# Altium PCB Tag201_GangProgrammerRev1.PcbDoc (part 6 of 7) (continued)
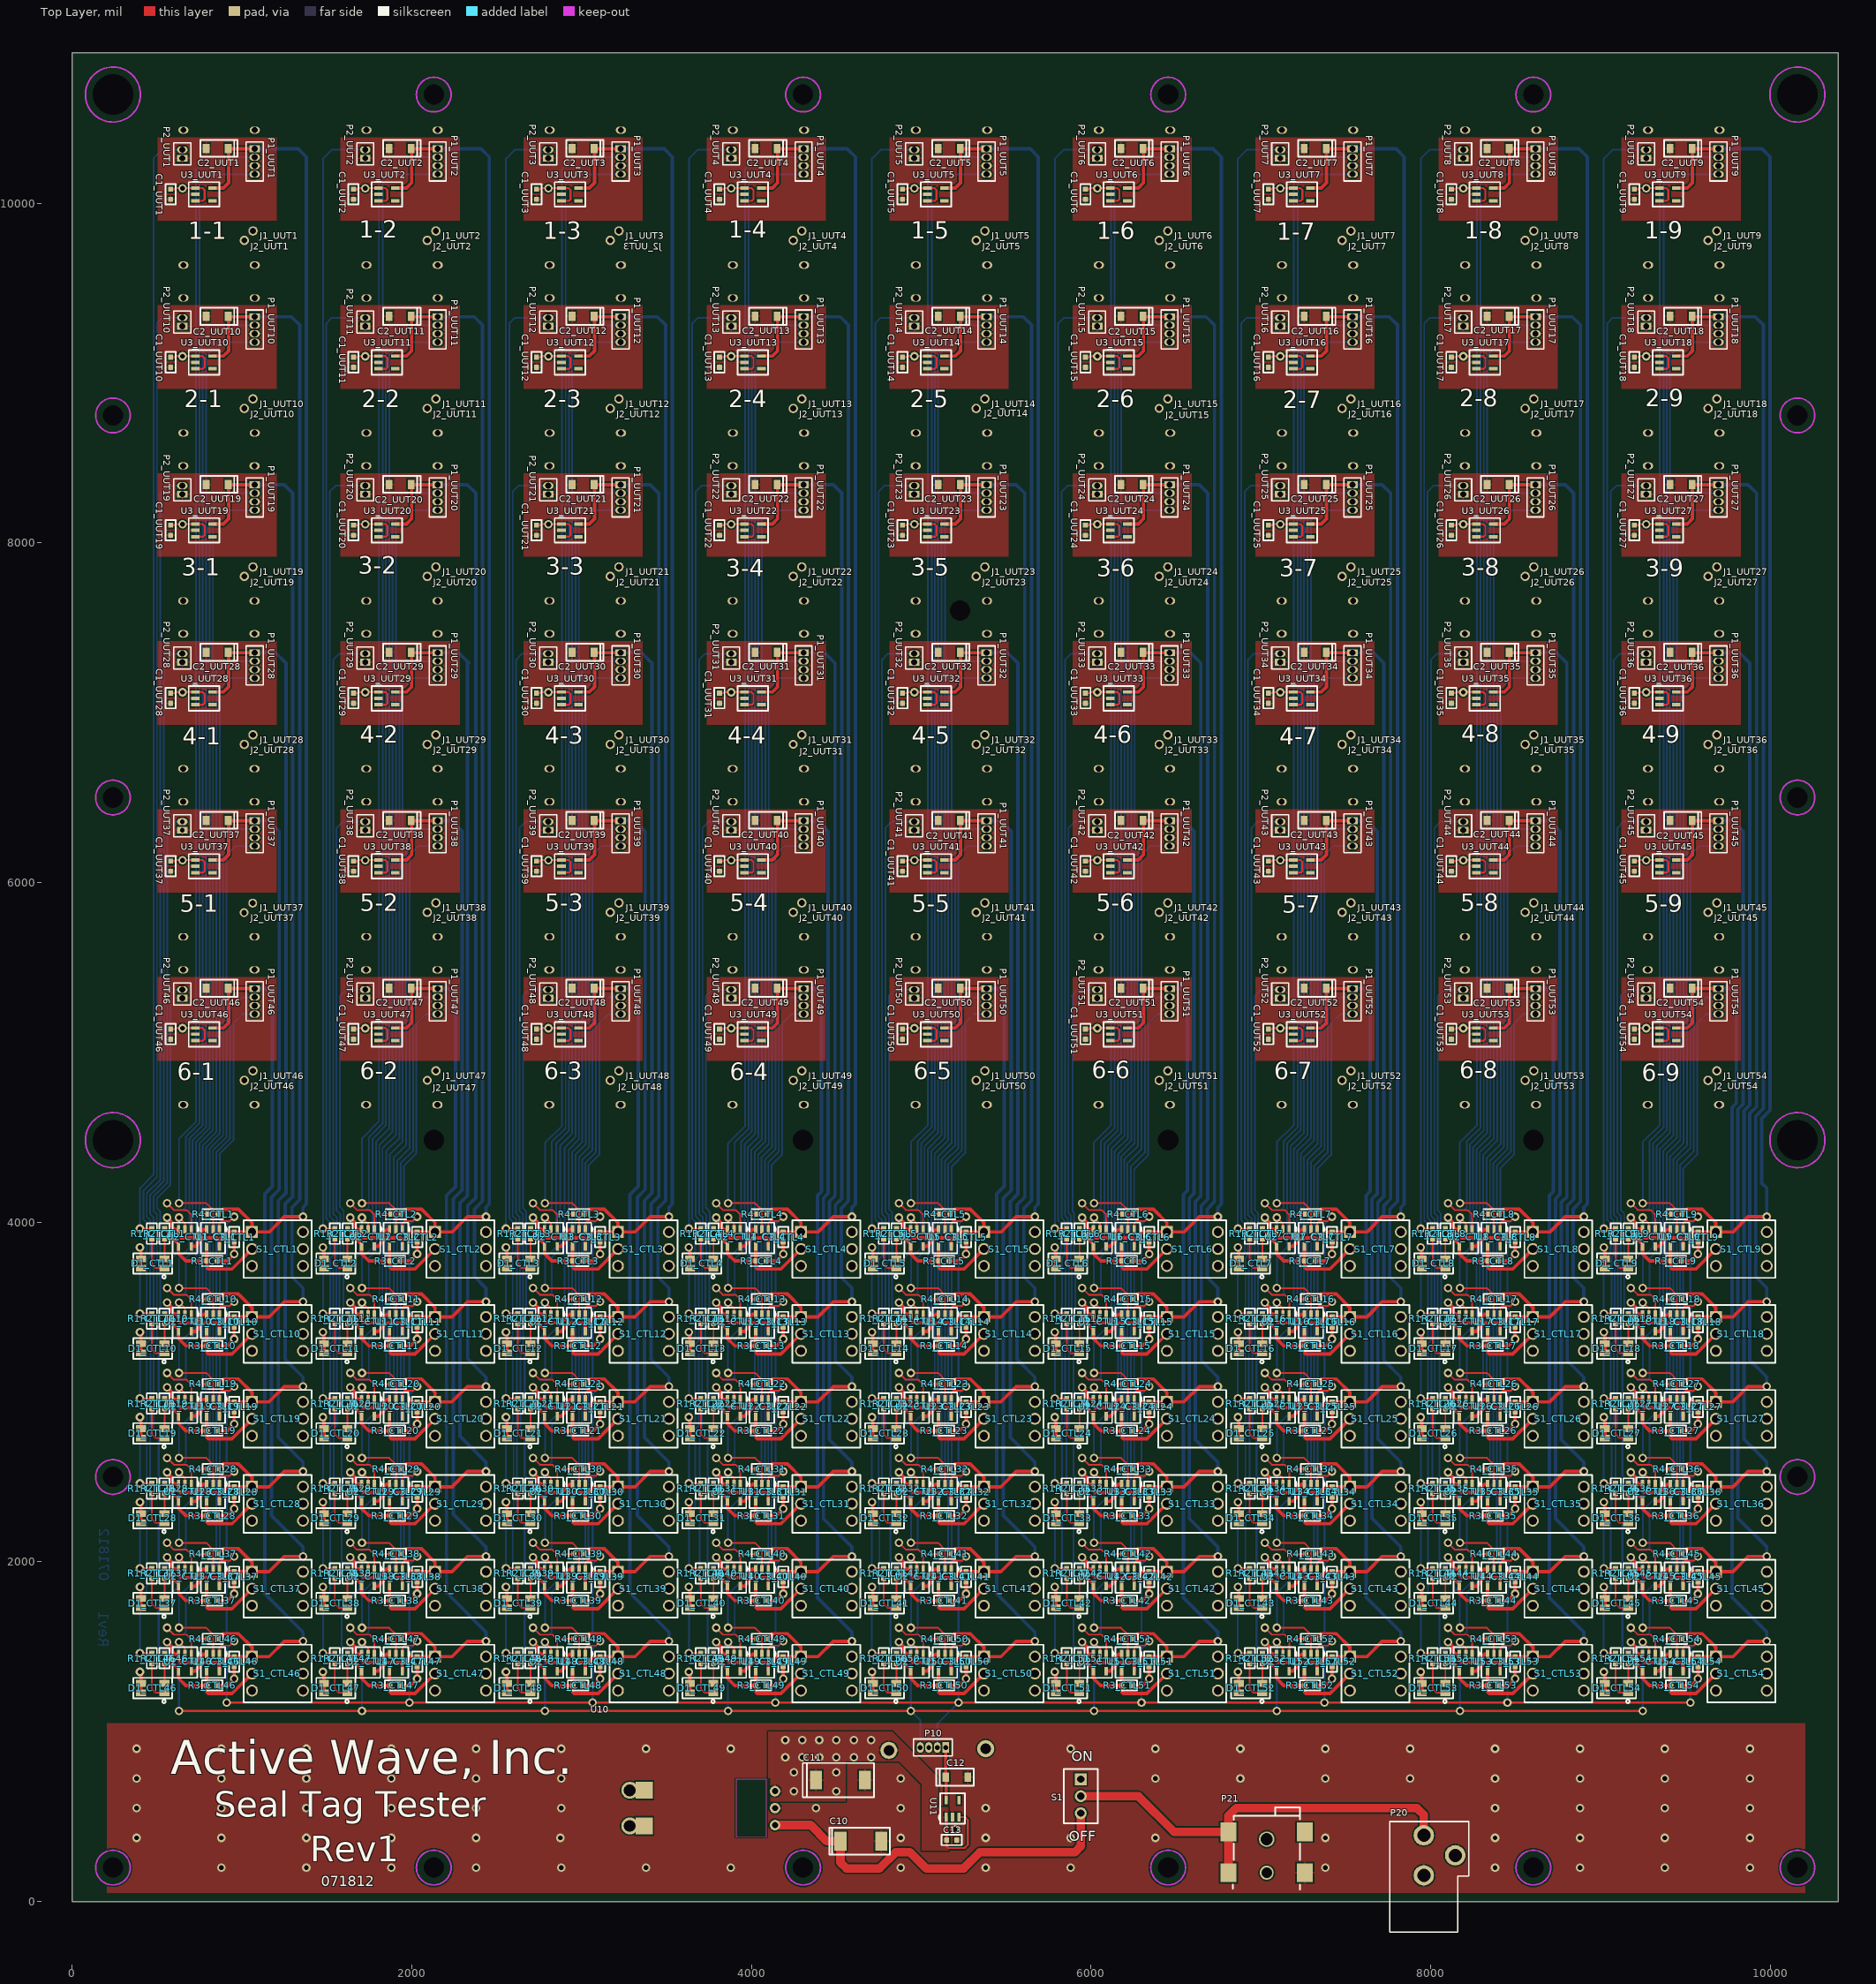
[diagram p0: Top Layer view]
## Nets (pads, with @x,y where several pads share a name; then routed paths per layer and width w, separated by ;. In a path a pad name is that pad's centre, name@x,y a point inside that pad or via, vN(x,y) a via of type N, cw(c..) or ccw(c..) an arc to the next point about the centre after c; other vN are vias at no path point) (continued)
  Bottom Layer w10: v1(4709,1962) 4709,2277 4749,2317 4749,2777 4769,2797 4769,3267 4789,3287 4789,3752 4809,3772 4809,4042 4789,4062 4789,6322 4825,6358 P2_UUT41.2@4958.5,6358
TEST42: P2_UUT42.2 R1_CTL42.2 | length 4658.7
  Top Layer w10: v1(5786.5,1962) R1_CTL42.2@5856.5,1962
  Bottom Layer w10: v1(5786.5,1962) 5786.5,2274.5 5829,2317 5829,2782 5847,2800 5847,3267 5869,3289 5869,3762 5880,3773 5880,4041 5866.5,4054.5 5866.5,6322 5902.5,6358 P2_UUT42.2@6036,6358
TEST43: P2_UUT43.2 R1_CTL43.2 | length 4664.1
  Top Layer w10: v1(6864,1962) R1_CTL43.2@6934,1962
  Bottom Layer w10: v1(6864,1962) 6864,2267 6909,2312 6909,2782 6929,2802 6929,3272 6947,3290 6947,3762 6964,3779 6964,4037 6944,4057 6944,6322 6980,6358 P2_UUT43.2@7113.5,6358
TEST44: P2_UUT44.2 R1_CTL44.2 | length 4662.9
  Top Layer w10: v1(7941.5,1962) R1_CTL44.2@8011.5,1962
  Bottom Layer w10: v1(7941.5,1962) 7941.5,2274.5 7984,2317 7984,2777 8004,2797 8004,3272 8022,3290 8022,3760 8040,3778 8040,4036 8021.5,4054.5 8021.5,6322 8057.5,6358 P2_UUT44.2@8191,6358
TEST45: P2_UUT45.2 R1_CTL45.2 | length 4664.1
  Top Layer w10: v1(9019,1962) R1_CTL45.2@9089,1962
  Bottom Layer w10: v1(9019,1962) 9019,2272 9064,2317 9064,2792 9079,2807 9079,3262 9102,3285 9102,3765 9119,3782 9119,4037 9099,4057 9099,6322 9135,6358 P2_UUT45.2@9268.5,6358
TEST46: P2_UUT46.2 R1_CTL46.2 | length 4123
  Top Layer w10: v1(399,1462) R1_CTL46.2@469,1462
  Bottom Layer w10: v1(399,1462) 399,1782 439,1822 439,2292 459,2312 459,2762 479,2782 479,3252 499,3272 499,3732 519,3752 519,4062 499,4082 499,4140 579,4220 579,5344 604,5369 P2_UUT46.2@648.5,5369
TEST47: P2_UUT47.2 R1_CTL47.2 | length 4164.5
  Top Layer w10: v1(1476.5,1462) R1_CTL47.2@1546.5,1462
  Bottom Layer w10: v1(1476.5,1462) 1476.5,1779.5 1519,1822 1519,2282 1539,2302 1539,2782 1559,2802 1559,3242 1573,3256 1573,3731 1598.5,3756.5 1598.5,4067.5 1576.5,4089.5 1576.5,5332 1613.5,5369 P2_UUT47.2@1726,5369
TEST48: P2_UUT48.2 R1_CTL48.2 | length 4162.8
  Top Layer w10: v1(2554,1462) R1_CTL48.2@2624,1462
  Bottom Layer w10: v1(2554,1462) 2554,1777 2594,1817 2594,2277 2619,2302 2619,2772 2639,2792 2639,3267 2655,3283 2655,3738 2674,3757 2674,4062 2654,4082 2654,5332 2691,5369 P2_UUT48.2@2803.5,5369
TEST49: P2_UUT49.2 R1_CTL49.2 | length 4164.9
  Top Layer w10: v1(3631.5,1462) R1_CTL49.2@3701.5,1462
  Bottom Layer w10: v1(3631.5,1462) 3631.5,1774.5 3694,1837 3694,2767 3709,2782 3709,3252 3729,3272 3729,3732 3754,3757 3754,4010.26 3753.5,4010.76 3753.5,4062.5 3731.5,4084.5 3731.5,5332 3768.5,5369 P2_UUT49.2@3881,5369
TEST50: P2_UUT50.2 R1_CTL50.2 | length 4162.8
  Top Layer w10: v1(4709,1462) R1_CTL50.2@4779,1462
  Bottom Layer w10: v1(4709,1462) 4709,1772 4754,1817 4754,2287 4769,2302 4769,2762 4789,2782 4789,3247 4809,3267 4809,3732 4829,3752 4829,4057 4809,4077 4809,5332 4846,5369 P2_UUT50.2@4958.5,5369
TEST51: P2_UUT51.2 R1_CTL51.2 | length 4158.8
  Top Layer w10: v1(5786.5,1462) R1_CTL51.2@5856.5,1462
  Bottom Layer w10: v1(5786.5,1462) 5786.5,1774.5 5829,1817 5829,2282 5854,2307 5854,2772 5869,2787 5869,3256 5887,3274 5887,3745 5899,3757 5899,4057 5890.25,4065.75 5890.25,5335.75 ; 5886.5,5332 5890.25,5335.75 ; P2_UUT51.2@6036,5369 5923.5,5369 5890.25,5335.75
TEST52: P2_UUT52.2 R1_CTL52.2 | length 4162.8
  Top Layer w10: v1(6864,1462) R1_CTL52.2@6934,1462
  Bottom Layer w10: v1(6864,1462) 6864,1772 6909,1817 6909,2277 6934,2302 6934,2767 6949,2782 6949,3257 6965,3273 6965,3743 6984,3762 6984,4052 6964,4072 6964,5332 7001,5369 P2_UUT52.2@7113.5,5369
TEST53: P2_UUT53.2 R1_CTL53.2 | length 4160.7
  Top Layer w10: v1(7941.5,1462) R1_CTL53.2@8011.5,1462
  Bottom Layer w10: v1(7941.5,1462) 7941.5,1769.5 7984,1812 7984,2277 8009,2302 8009,2762 8024,2777 8024,3252 8040,3268 8040,3738 8059,3757 8059,4052 8041.5,4069.5 8041.5,5332 8078.5,5369 P2_UUT53.2@8191,5369
TEST54: P2_UUT54.2 R1_CTL54.2 | length 4162.8
  Top Layer w10: v1(9019,1462) R1_CTL54.2@9089,1462
  Bottom Layer w10: v1(9019,1462) 9019,1777 9059,1817 9059,2272 9089,2302 9089,2787 9099,2797 9099,3247 9120,3268 9120,3747 9139,3766 9139,4052 9119,4072 9119,5332 9156,5369 P2_UUT54.2@9268.5,5369
VCC: P20.1 P21.1 S1.2 | length 2597.2
  Top Layer w50: S1.2@5939,620 6279,620 6489,410 P21.1@6809,410 ; P21.1@6809,170 P21.1@6809,410 ; P20.1@7959,390 7959,510 7919,550 6854,550 6809,505 P21.1@6809,410
VCC1: C2_UUT1.1 C3_CTL1.1 P1_UUT1.1 R4_CTL1.1 S1_CTL1.1 U1_CTL1.5 U2_CTL1.5 U3_UUT1.5 | length 8113.2
  Top Layer w20: U2_CTL1.5@701.5,3857 724,3857 774,3907 854,3907 866.5,3894.5 ; U3_UUT1.5@826,10088.5 890.5,10088.5 921,10119 921,10320 P1_UUT1.1@1074.5,10320 ; R4_CTL1.1@859,4047 889,4077 979,4077 1059,3997 S1_CTL1.1@1059,3942 ; U1_CTL1.5@866.5,3857 866.5,3894.5 ; v1(1359,4032) 1249,4032 1159,3942 S1_CTL1.1@1059,3942 ; 866.5,3894.5 914,3942 C3_CTL1.1@954,3942 S1_CTL1.1@1059,3942
  Bottom Layer w20: P1_UUT1.1@1074.5,10320 1331,10320 1379,10272 1379,4107 1359,4087 v1(1359,4032)
VCC2: C2_UUT2.1 C3_CTL2.1 P1_UUT2.1 R4_CTL2.1 S1_CTL2.1 U1_CTL2.5 U2_CTL2.5 U3_UUT2.5 | length 8113.2
  Top Layer w20: U2_CTL2.5@1779,3857 1801.5,3857 1851.5,3907 1931.5,3907 1944,3894.5 ; U3_UUT2.5@1903.5,10088.5 1968,10088.5 1998.5,10119 1998.5,10320 P1_UUT2.1@2152,10320 ; R4_CTL2.1@1936.5,4047 1966.5,4077 2056.5,4077 2136.5,3997 S1_CTL2.1@2136.5,3942 ; U1_CTL2.5@1944,3857 1944,3894.5 ; v1(2436.5,4032) 2326.5,4032 2236.5,3942 S1_CTL2.1@2136.5,3942 ; 1944,3894.5 1991.5,3942 C3_CTL2.1@2031.5,3942 S1_CTL2.1@2136.5,3942
  Bottom Layer w20: P1_UUT2.1@2152,10320 2408.5,10320 2456.5,10272 2456.5,4107 2436.5,4087 v1(2436.5,4032)
VCC3: C2_UUT3.1 C3_CTL3.1 P1_UUT3.1 R4_CTL3.1 S1_CTL3.1 U1_CTL3.5 U2_CTL3.5 U3_UUT3.5 | length 8113.2
  Top Layer w20: U2_CTL3.5@2856.5,3857 2879,3857 2929,3907 3009,3907 3021.5,3894.5 ; U3_UUT3.5@2981,10088.5 3045.5,10088.5 3076,10119 3076,10320 P1_UUT3.1@3229.5,10320 ; R4_CTL3.1@3014,4047 3044,4077 3134,4077 3214,3997 S1_CTL3.1@3214,3942 ; U1_CTL3.5@3021.5,3857 3021.5,3894.5 ; v1(3514,4032) 3404,4032 3314,3942 S1_CTL3.1@3214,3942 ; 3021.5,3894.5 3069,3942 C3_CTL3.1@3109,3942 S1_CTL3.1@3214,3942
  Bottom Layer w20: P1_UUT3.1@3229.5,10320 3486,10320 3534,10272 3534,4107 3514,4087 v1(3514,4032)
VCC4: C2_UUT4.1 C3_CTL4.1 P1_UUT4.1 R4_CTL4.1 S1_CTL4.1 U1_CTL4.5 U2_CTL4.5 U3_UUT4.5 | length 8113.2
  Top Layer w20: U2_CTL4.5@3934,3857 3956.5,3857 4006.5,3907 4086.5,3907 4099,3894.5 ; U3_UUT4.5@4058.5,10088.5 4123,10088.5 4153.5,10119 4153.5,10320 P1_UUT4.1@4307,10320 ; R4_CTL4.1@4091.5,4047 4121.5,4077 4211.5,4077 4291.5,3997 S1_CTL4.1@4291.5,3942 ; U1_CTL4.5@4099,3857 4099,3894.5 ; v1(4591.5,4032) 4481.5,4032 4391.5,3942 S1_CTL4.1@4291.5,3942 ; 4099,3894.5 4146.5,3942 C3_CTL4.1@4186.5,3942 S1_CTL4.1@4291.5,3942
  Bottom Layer w20: P1_UUT4.1@4307,10320 4563.5,10320 4611.5,10272 4611.5,4107 4591.5,4087 v1(4591.5,4032)
VCC5: C2_UUT5.1 C3_CTL5.1 P1_UUT5.1 R4_CTL5.1 S1_CTL5.1 U1_CTL5.5 U2_CTL5.5 U3_UUT5.5 | length 8113.2
  Top Layer w20: U2_CTL5.5@5011.5,3857 5034,3857 5084,3907 5164,3907 5176.5,3894.5 ; U3_UUT5.5@5136,10088.5 5200.5,10088.5 5231,10119 5231,10320 P1_UUT5.1@5384.5,10320 ; R4_CTL5.1@5169,4047 5199,4077 5289,4077 5369,3997 S1_CTL5.1@5369,3942 ; U1_CTL5.5@5176.5,3857 5176.5,3894.5 ; v1(5669,4032) 5559,4032 5469,3942 S1_CTL5.1@5369,3942 ; 5176.5,3894.5 5224,3942 C3_CTL5.1@5264,3942 S1_CTL5.1@5369,3942
  Bottom Layer w20: P1_UUT5.1@5384.5,10320 5641,10320 5689,10272 5689,4107 5669,4087 v1(5669,4032)
VCC6: C2_UUT6.1 C3_CTL6.1 P1_UUT6.1 R4_CTL6.1 S1_CTL6.1 U1_CTL6.5 U2_CTL6.5 U3_UUT6.5 | length 8113.2
  Top Layer w20: U2_CTL6.5@6089,3857 6111.5,3857 6161.5,3907 6241.5,3907 6254,3894.5 ; U3_UUT6.5@6213.5,10088.5 6278,10088.5 6308.5,10119 6308.5,10320 P1_UUT6.1@6462,10320 ; R4_CTL6.1@6246.5,4047 6276.5,4077 6366.5,4077 6446.5,3997 S1_CTL6.1@6446.5,3942 ; U1_CTL6.5@6254,3857 6254,3894.5 ; v1(6746.5,4032) 6636.5,4032 6546.5,3942 S1_CTL6.1@6446.5,3942 ; 6254,3894.5 6301.5,3942 C3_CTL6.1@6341.5,3942 S1_CTL6.1@6446.5,3942
  Bottom Layer w20: P1_UUT6.1@6462,10320 6718.5,10320 6766.5,10272 6766.5,4107 6746.5,4087 v1(6746.5,4032)
VCC7: C2_UUT7.1 C3_CTL7.1 P1_UUT7.1 R4_CTL7.1 S1_CTL7.1 U1_CTL7.5 U2_CTL7.5 U3_UUT7.5 | length 8113.2
  Top Layer w20: U2_CTL7.5@7166.5,3857 7189,3857 7239,3907 7319,3907 7331.5,3894.5 ; U3_UUT7.5@7291,10088.5 7355.5,10088.5 7386,10119 7386,10320 P1_UUT7.1@7539.5,10320 ; R4_CTL7.1@7324,4047 7354,4077 7444,4077 7524,3997 S1_CTL7.1@7524,3942 ; U1_CTL7.5@7331.5,3857 7331.5,3894.5 ; v1(7824,4032) 7714,4032 7624,3942 S1_CTL7.1@7524,3942 ; 7331.5,3894.5 7379,3942 C3_CTL7.1@7419,3942 S1_CTL7.1@7524,3942
  Bottom Layer w20: P1_UUT7.1@7539.5,10320 7796,10320 7844,10272 7844,4107 7824,4087 v1(7824,4032)
VCC8: C2_UUT8.1 C3_CTL8.1 P1_UUT8.1 R4_CTL8.1 S1_CTL8.1 U1_CTL8.5 U2_CTL8.5 U3_UUT8.5 | length 8113.2
  Top Layer w20: U2_CTL8.5@8244,3857 8266.5,3857 8316.5,3907 8396.5,3907 8409,3894.5 ; U3_UUT8.5@8368.5,10088.5 8433,10088.5 8463.5,10119 8463.5,10320 P1_UUT8.1@8617,10320 ; R4_CTL8.1@8401.5,4047 8431.5,4077 8521.5,4077 8601.5,3997 S1_CTL8.1@8601.5,3942 ; U1_CTL8.5@8409,3857 8409,3894.5 ; v1(8901.5,4032) 8791.5,4032 8701.5,3942 S1_CTL8.1@8601.5,3942 ; 8409,3894.5 8456.5,3942 C3_CTL8.1@8496.5,3942 S1_CTL8.1@8601.5,3942
  Bottom Layer w20: P1_UUT8.1@8617,10320 8873.5,10320 8921.5,10272 8921.5,4107 8901.5,4087 v1(8901.5,4032)
VCC9: C2_UUT9.1 C3_CTL9.1 P1_UUT9.1 R4_CTL9.1 S1_CTL9.1 U1_CTL9.5 U2_CTL9.5 U3_UUT9.5 | length 8138.1
  Top Layer w20: U2_CTL9.5@9321.5,3857 9344,3857 9394,3907 9474,3907 9486.5,3894.5 ; U3_UUT9.5@9446,10088.5 9510.5,10088.5 9541,10119 9541,10320 P1_UUT9.1@9694.5,10320 ; R4_CTL9.1@9479,4047 9509,4077 9599,4077 9679,3997 S1_CTL9.1@9679,3942 ; U1_CTL9.5@9486.5,3857 9486.5,3894.5 ; v1(9979,4032) 9869,4032 9779,3942 S1_CTL9.1@9679,3942 ; 9486.5,3894.5 9534,3942 C3_CTL9.1@9574,3942 S1_CTL9.1@9679,3942
  Bottom Layer w20: P1_UUT9.1@9694.5,10320 9951,10320 9999,10272 9999,4660 9949,4610 9949,4230 9979,4200 v1(9979,4032)
VCC10: C2_UUT10.1 C3_CTL10.1 P1_UUT10.1 R4_CTL10.1 S1_CTL10.1 U1_CTL10.5 U2_CTL10.5 U3_UUT10.5 | length 7620.9
  Top Layer w20: U2_CTL10.5@701.5,3357 724,3357 774,3407 854,3407 866.5,3394.5 ; U3_UUT10.5@826,9099.5 890.5,9099.5 921,9130 921,9331 P1_UUT10.1@1074.5,9331 ; R4_CTL10.1@859,3547 889,3577 979,3577 1059,3497 S1_CTL10.1@1059,3442 ; U1_CTL10.5@866.5,3357 866.5,3394.5 ; v1(1359,3532) 1249,3532 1159,3442 S1_CTL10.1@1059,3442 ; 866.5,3394.5 914,3442 C3_CTL10.1@954,3442 S1_CTL10.1@1059,3442
  Bottom Layer w20: P1_UUT10.1@1074.5,9331 1290,9331 1339,9282 1339,4132 1294,4087 1294,3677 1359,3612 v1(1359,3532)
VCC11: C2_UUT11.1 C3_CTL11.1 P1_UUT11.1 R4_CTL11.1 S1_CTL11.1 U1_CTL11.5 U2_CTL11.5 U3_UUT11.5 | length 7615.9
  Top Layer w20: U2_CTL11.5@1779,3357 1801.5,3357 1851.5,3407 1931.5,3407 1944,3394.5 ; U3_UUT11.5@1903.5,9099.5 1968,9099.5 1998.5,9130 1998.5,9331 P1_UUT11.1@2152,9331 ; R4_CTL11.1@1936.5,3547 1966.5,3577 2056.5,3577 2136.5,3497 S1_CTL11.1@2136.5,3442 ; U1_CTL11.5@1944,3357 1944,3394.5 ; v1(2436.5,3532) 2326.5,3532 2236.5,3442 S1_CTL11.1@2136.5,3442 ; 1944,3394.5 1991.5,3442 C3_CTL11.1@2031.5,3442 S1_CTL11.1@2136.5,3442
  Bottom Layer w20: P1_UUT11.1@2152,9331 2367.5,9331 2416.5,9282 2416.5,4124.5 2369,4077 2369,3679.5 2431.5,3617 ; v1(2436.5,3532) 2436.5,3612
VCC12: C2_UUT12.1 C3_CTL12.1 P1_UUT12.1 R4_CTL12.1 S1_CTL12.1 U1_CTL12.5 U2_CTL12.5 U3_UUT12.5 | length 7620.9
  Top Layer w20: U2_CTL12.5@2856.5,3357 2879,3357 2929,3407 3009,3407 3021.5,3394.5 ; U3_UUT12.5@2981,9099.5 3045.5,9099.5 3076,9130 3076,9331 P1_UUT12.1@3229.5,9331 ; R4_CTL12.1@3014,3547 3044,3577 3134,3577 3214,3497 S1_CTL12.1@3214,3442 ; U1_CTL12.5@3021.5,3357 3021.5,3394.5 ; v1(3514,3532) 3404,3532 3314,3442 S1_CTL12.1@3214,3442 ; 3021.5,3394.5 3069,3442 C3_CTL12.1@3109,3442 S1_CTL12.1@3214,3442
  Bottom Layer w20: P1_UUT12.1@3229.5,9331 3445,9331 3494,9282 3494,4127 3449,4082 3449,3677 3514,3612 v1(3514,3532)
VCC13: C2_UUT13.1 C3_CTL13.1 P1_UUT13.1 R4_CTL13.1 S1_CTL13.1 U1_CTL13.5 U2_CTL13.5 U3_UUT13.5 | length 7618.8
  Top Layer w20: U2_CTL13.5@3934,3357 3956.5,3357 4006.5,3407 4086.5,3407 4099,3394.5 ; U3_UUT13.5@4058.5,9099.5 4123,9099.5 4153.5,9130 4153.5,9331 P1_UUT13.1@4307,9331 ; R4_CTL13.1@4091.5,3547 4121.5,3577 4211.5,3577 4291.5,3497 S1_CTL13.1@4291.5,3442 ; U1_CTL13.5@4099,3357 4099,3394.5 ; v1(4591.5,3532) 4481.5,3532 4391.5,3442 S1_CTL13.1@4291.5,3442 ; 4099,3394.5 4146.5,3442 C3_CTL13.1@4186.5,3442 S1_CTL13.1@4291.5,3442
  Bottom Layer w20: P1_UUT13.1@4307,9331 4522.5,9331 4571.5,9282 4571.5,4124.5 4529,4082 4529,3674.5 4591.5,3612 v1(4591.5,3532)
VCC14: C2_UUT14.1 C3_CTL14.1 P1_UUT14.1 R4_CTL14.1 S1_CTL14.1 U1_CTL14.5 U2_CTL14.5 U3_UUT14.5 | length 7620.9
  Top Layer w20: U2_CTL14.5@5011.5,3357 5034,3357 5084,3407 5164,3407 5176.5,3394.5 ; U3_UUT14.5@5136,9099.5 5200.5,9099.5 5231,9130 5231,9331 P1_UUT14.1@5384.5,9331 ; R4_CTL14.1@5169,3547 5199,3577 5289,3577 5369,3497 S1_CTL14.1@5369,3442 ; U1_CTL14.5@5176.5,3357 5176.5,3394.5 ; v1(5669,3532) 5559,3532 5469,3442 S1_CTL14.1@5369,3442 ; 5176.5,3394.5 5224,3442 C3_CTL14.1@5264,3442 S1_CTL14.1@5369,3442
  Bottom Layer w20: P1_UUT14.1@5384.5,9331 5600,9331 5649,9282 5649,4127 5604,4082 5604,3677 5669,3612 v1(5669,3532)
VCC15: C2_UUT15.1 C3_CTL15.1 P1_UUT15.1 R4_CTL15.1 S1_CTL15.1 U1_CTL15.5 U2_CTL15.5 U3_UUT15.5 | length 7618.8
  Top Layer w20: U2_CTL15.5@6089,3357 6111.5,3357 6161.5,3407 6241.5,3407 6254,3394.5 ; U3_UUT15.5@6213.5,9099.5 6278,9099.5 6308.5,9130 6308.5,9331 P1_UUT15.1@6462,9331 ; R4_CTL15.1@6246.5,3547 6276.5,3577 6366.5,3577 6446.5,3497 S1_CTL15.1@6446.5,3442 ; U1_CTL15.5@6254,3357 6254,3394.5 ; v1(6746.5,3532) 6636.5,3532 6546.5,3442 S1_CTL15.1@6446.5,3442 ; 6254,3394.5 6301.5,3442 C3_CTL15.1@6341.5,3442 S1_CTL15.1@6446.5,3442
  Bottom Layer w20: P1_UUT15.1@6462,9331 6677.5,9331 6726.5,9282 6726.5,4119.5 6684,4077 6684,3674.5 6746.5,3612 v1(6746.5,3532)
VCC16: C2_UUT16.1 C3_CTL16.1 P1_UUT16.1 R4_CTL16.1 S1_CTL16.1 U1_CTL16.5 U2_CTL16.5 U3_UUT16.5 | length 7620.9
  Top Layer w20: U2_CTL16.5@7166.5,3357 7189,3357 7239,3407 7319,3407 7331.5,3394.5 ; U3_UUT16.5@7291,9099.5 7355.5,9099.5 7386,9130 7386,9331 P1_UUT16.1@7539.5,9331 ; R4_CTL16.1@7324,3547 7354,3577 7444,3577 7524,3497 S1_CTL16.1@7524,3442 ; U1_CTL16.5@7331.5,3357 7331.5,3394.5 ; v1(7824,3532) 7714,3532 7624,3442 S1_CTL16.1@7524,3442 ; 7331.5,3394.5 7379,3442 C3_CTL16.1@7419,3442 S1_CTL16.1@7524,3442
  Bottom Layer w20: P1_UUT16.1@7539.5,9331 7755,9331 7804,9282 7804,4122 7759,4077 7759,3677 7824,3612 v1(7824,3532)
VCC17: C2_UUT17.1 C3_CTL17.1 P1_UUT17.1 R4_CTL17.1 S1_CTL17.1 U1_CTL17.5 U2_CTL17.5 U3_UUT17.5 | length 7618.8
  Top Layer w20: U2_CTL17.5@8244,3357 8266.5,3357 8316.5,3407 8396.5,3407 8409,3394.5 ; U3_UUT17.5@8368.5,9099.5 8433,9099.5 8463.5,9130 8463.5,9331 P1_UUT17.1@8617,9331 ; R4_CTL17.1@8401.5,3547 8431.5,3577 8521.5,3577 8601.5,3497 S1_CTL17.1@8601.5,3442 ; U1_CTL17.5@8409,3357 8409,3394.5 ; v1(8901.5,3532) 8791.5,3532 8701.5,3442 S1_CTL17.1@8601.5,3442 ; 8409,3394.5 8456.5,3442 C3_CTL17.1@8496.5,3442 S1_CTL17.1@8601.5,3442
  Bottom Layer w20: P1_UUT17.1@8617,9331 8832.5,9331 8881.5,9282 8881.5,4119.5 8839,4077 8839,3674.5 8901.5,3612 v1(8901.5,3532)
VCC18: C2_UUT18.1 C3_CTL18.1 P1_UUT18.1 R4_CTL18.1 S1_CTL18.1 U1_CTL18.5 U2_CTL18.5 U3_UUT18.5 | length 7620.9
  Top Layer w20: U2_CTL18.5@9321.5,3357 9344,3357 9394,3407 9474,3407 9486.5,3394.5 ; U3_UUT18.5@9446,9099.5 9510.5,9099.5 9541,9130 9541,9331 P1_UUT18.1@9694.5,9331 ; R4_CTL18.1@9479,3547 9509,3577 9599,3577 9679,3497 S1_CTL18.1@9679,3442 ; U1_CTL18.5@9486.5,3357 9486.5,3394.5 ; v1(9979,3532) 9869,3532 9779,3442 S1_CTL18.1@9679,3442 ; 9486.5,3394.5 9534,3442 C3_CTL18.1@9574,3442 S1_CTL18.1@9679,3442
  Bottom Layer w20: P1_UUT18.1@9694.5,9331 9910,9331 9959,9282 9959,4670 9914,4625 9914,3677 9979,3612 v1(9979,3532)
VCC19: C2_UUT19.1 C3_CTL19.1 P1_UUT19.1 R4_CTL19.1 S1_CTL19.1 U1_CTL19.5 U2_CTL19.5 U3_UUT19.5 | length 7107.9
  Top Layer w20: U2_CTL19.5@701.5,2857 724,2857 774,2907 854,2907 866.5,2894.5 ; U3_UUT19.5@826,8110.5 890.5,8110.5 921,8141 921,8342 P1_UUT19.1@1074.5,8342 ; R4_CTL19.1@859,3047 889,3077 979,3077 1059,2997 S1_CTL19.1@1059,2942 ; U1_CTL19.5@866.5,2857 866.5,2894.5 ; v1(1359,3032) 1249,3032 1159,2942 S1_CTL19.1@1059,2942 ; 866.5,2894.5 914,2942 C3_CTL19.1@954,2942 S1_CTL19.1@1059,2942
  Bottom Layer w20: P1_UUT19.1@1074.5,8342 1249,8342 1299,8292 1299,4152 1254,4107 1254,3277 1254,3192 1359,3087 v1(1359,3032)
VCC20: C2_UUT20.1 C3_CTL20.1 P1_UUT20.1 R4_CTL20.1 S1_CTL20.1 U1_CTL20.5 U2_CTL20.5 U3_UUT20.5 | length 7110
  Top Layer w20: U2_CTL20.5@1779,2857 1801.5,2857 1851.5,2907 1931.5,2907 1944,2894.5 ; U3_UUT20.5@1903.5,8110.5 1968,8110.5 1998.5,8141 1998.5,8342 P1_UUT20.1@2152,8342 ; R4_CTL20.1@1936.5,3047 1966.5,3077 2056.5,3077 2136.5,2997 S1_CTL20.1@2136.5,2942 ; U1_CTL20.5@1944,2857 1944,2894.5 ; v1(2436.5,3032) 2326.5,3032 2236.5,2942 S1_CTL20.1@2136.5,2942 ; 1944,2894.5 1991.5,2942 C3_CTL20.1@2031.5,2942 S1_CTL20.1@2136.5,2942
  Bottom Layer w20: P1_UUT20.1@2152,8342 2326.5,8342 2376.5,8292 2376.5,4144.5 2329,4097 2329,3194.5 2436.5,3087 v1(2436.5,3032)
VCC21: C2_UUT21.1 C3_CTL21.1 P1_UUT21.1 R4_CTL21.1 S1_CTL21.1 U1_CTL21.5 U2_CTL21.5 U3_UUT21.5 | length 7107.9
  Top Layer w20: U2_CTL21.5@2856.5,2857 2879,2857 2929,2907 3009,2907 3021.5,2894.5 ; U3_UUT21.5@2981,8110.5 3045.5,8110.5 3076,8141 3076,8342 P1_UUT21.1@3229.5,8342 ; R4_CTL21.1@3014,3047 3044,3077 3134,3077 3214,2997 S1_CTL21.1@3214,2942 ; U1_CTL21.5@3021.5,2857 3021.5,2894.5 ; v1(3514,3032) 3404,3032 3314,2942 S1_CTL21.1@3214,2942 ; 3021.5,2894.5 3069,2942 C3_CTL21.1@3109,2942 S1_CTL21.1@3214,2942
  Bottom Layer w20: P1_UUT21.1@3229.5,8342 3404,8342 3454,8292 3454,4152 3409,4107 3409,3192 3514,3087 v1(3514,3032)
VCC22: C2_UUT22.1 C3_CTL22.1 P1_UUT22.1 R4_CTL22.1 S1_CTL22.1 U1_CTL22.5 U2_CTL22.5 U3_UUT22.5 | length 7101.7
  Top Layer w20: U2_CTL22.5@3934,2857 3956.5,2857 4006.5,2907 4086.5,2907 4099,2894.5 ; U3_UUT22.5@4058.5,8110.5 4123,8110.5 4153.5,8141 4153.5,8342 P1_UUT22.1@4307,8342 ; R4_CTL22.1@4091.5,3047 4121.5,3077 4211.5,3077 4291.5,2997 S1_CTL22.1@4291.5,2942 ; U1_CTL22.5@4099,2857 4099,2894.5 ; v1(4591.5,3032) 4481.5,3032 4391.5,2942 S1_CTL22.1@4291.5,2942 ; 4099,2894.5 4146.5,2942 C3_CTL22.1@4186.5,2942 S1_CTL22.1@4291.5,2942
  Bottom Layer w20: P1_UUT22.1@4307,8342 4481.5,8342 4531.5,8292 4531.5,4139.5 4494,4102 4494,3184.5 4591.5,3087 v1(4591.5,3032)
VCC23: C2_UUT23.1 C3_CTL23.1 P1_UUT23.1 R4_CTL23.1 S1_CTL23.1 U1_CTL23.5 U2_CTL23.5 U3_UUT23.5 | length 7107.9
  Top Layer w20: U2_CTL23.5@5011.5,2857 5034,2857 5084,2907 5164,2907 5176.5,2894.5 ; U3_UUT23.5@5136,8110.5 5200.5,8110.5 5231,8141 5231,8342 P1_UUT23.1@5384.5,8342 ; R4_CTL23.1@5169,3047 5199,3077 5289,3077 5369,2997 S1_CTL23.1@5369,2942 ; U1_CTL23.5@5176.5,2857 5176.5,2894.5 ; v1(5669,3032) 5559,3032 5469,2942 S1_CTL23.1@5369,2942 ; 5176.5,2894.5 5224,2942 C3_CTL23.1@5264,2942 S1_CTL23.1@5369,2942
  Bottom Layer w20: P1_UUT23.1@5384.5,8342 5559,8342 5609,8292 5609,4147 5564,4102 5564,3192 5669,3087 v1(5669,3032)
VCC24: C2_UUT24.1 C3_CTL24.1 P1_UUT24.1 R4_CTL24.1 S1_CTL24.1 U1_CTL24.5 U2_CTL24.5 U3_UUT24.5 | length 7101.7
  Top Layer w20: U2_CTL24.5@6089,2857 6111.5,2857 6161.5,2907 6241.5,2907 6254,2894.5 ; U3_UUT24.5@6213.5,8110.5 6278,8110.5 6308.5,8141 6308.5,8342 P1_UUT24.1@6462,8342 ; R4_CTL24.1@6246.5,3047 6276.5,3077 6366.5,3077 6446.5,2997 S1_CTL24.1@6446.5,2942 ; U1_CTL24.5@6254,2857 6254,2894.5 ; v1(6746.5,3032) 6636.5,3032 6546.5,2942 S1_CTL24.1@6446.5,2942 ; 6254,2894.5 6301.5,2942 C3_CTL24.1@6341.5,2942 S1_CTL24.1@6446.5,2942
  Bottom Layer w20: P1_UUT24.1@6462,8342 6636.5,8342 6686.5,8292 6686.5,4134.5 6649,4097 6649,3184.5 6746.5,3087 v1(6746.5,3032)
VCC25: C2_UUT25.1 C3_CTL25.1 P1_UUT25.1 R4_CTL25.1 S1_CTL25.1 U1_CTL25.5 U2_CTL25.5 U3_UUT25.5 | length 7103.7
  Top Layer w20: U2_CTL25.5@7166.5,2857 7189,2857 7239,2907 7319,2907 7331.5,2894.5 ; U3_UUT25.5@7291,8110.5 7355.5,8110.5 7386,8141 7386,8342 P1_UUT25.1@7539.5,8342 ; R4_CTL25.1@7324,3047 7354,3077 7444,3077 7524,2997 S1_CTL25.1@7524,2942 ; U1_CTL25.5@7331.5,2857 7331.5,2894.5 ; v1(7824,3032) 7714,3032 7624,2942 S1_CTL25.1@7524,2942 ; 7331.5,2894.5 7379,2942 C3_CTL25.1@7419,2942 S1_CTL25.1@7524,2942
  Bottom Layer w20: P1_UUT25.1@7539.5,8342 7714,8342 7764,8292 7764,4137 7724,4097 7724,3187 7824,3087 v1(7824,3032)
VCC26: C2_UUT26.1 C3_CTL26.1 P1_UUT26.1 R4_CTL26.1 S1_CTL26.1 U1_CTL26.5 U2_CTL26.5 U3_UUT26.5 | length 7101.7
  Top Layer w20: U2_CTL26.5@8244,2857 8266.5,2857 8316.5,2907 8396.5,2907 8409,2894.5 ; U3_UUT26.5@8368.5,8110.5 8433,8110.5 8463.5,8141 8463.5,8342 P1_UUT26.1@8617,8342 ; R4_CTL26.1@8401.5,3047 8431.5,3077 8521.5,3077 8601.5,2997 S1_CTL26.1@8601.5,2942 ; U1_CTL26.5@8409,2857 8409,2894.5 ; v1(8901.5,3032) 8791.5,3032 8701.5,2942 S1_CTL26.1@8601.5,2942 ; 8409,2894.5 8456.5,2942 C3_CTL26.1@8496.5,2942 S1_CTL26.1@8601.5,2942
  Bottom Layer w20: P1_UUT26.1@8617,8342 8791.5,8342 8841.5,8292 8841.5,4134.5 8804,4097 8804,3184.5 8901.5,3087 v1(8901.5,3032)
VCC27: C2_UUT27.1 C3_CTL27.1 P1_UUT27.1 R4_CTL27.1 S1_CTL27.1 U1_CTL27.5 U2_CTL27.5 U3_UUT27.5 | length 7103.7
  Top Layer w20: U2_CTL27.5@9321.5,2857 9344,2857 9394,2907 9474,2907 9486.5,2894.5 ; U3_UUT27.5@9446,8110.5 9510.5,8110.5 9541,8141 9541,8342 P1_UUT27.1@9694.5,8342 ; R4_CTL27.1@9479,3047 9509,3077 9599,3077 9679,2997 S1_CTL27.1@9679,2942 ; U1_CTL27.5@9486.5,2857 9486.5,2894.5 ; v1(9979,3032) 9869,3032 9779,2942 S1_CTL27.1@9679,2942 ; 9486.5,2894.5 9534,2942 C3_CTL27.1@9574,2942 S1_CTL27.1@9679,2942
  Bottom Layer w20: P1_UUT27.1@9694.5,8342 9869,8342 9919,8292 9919,4680 9879,4640 9879,3187 9979,3087 v1(9979,3032)
VCC28: C2_UUT28.1 C3_CTL28.1 P1_UUT28.1 R4_CTL28.1 S1_CTL28.1 U1_CTL28.5 U2_CTL28.5 U3_UUT28.5 | length 6589
  Top Layer w20: U2_CTL28.5@701.5,2357 724,2357 774,2407 854,2407 866.5,2394.5 ; U3_UUT28.5@826,7121.5 890.5,7121.5 921,7152 921,7353 P1_UUT28.1@1074.5,7353 ; R4_CTL28.1@859,2547 889,2577 979,2577 1059,2497 S1_CTL28.1@1059,2442 ; U1_CTL28.5@866.5,2357 866.5,2394.5 ; v1(1359,2532) 1249,2532 1159,2442 S1_CTL28.1@1059,2442 ; 866.5,2394.5 914,2442 C3_CTL28.1@954,2442 S1_CTL28.1@1059,2442
  Bottom Layer w20: P1_UUT28.1@1074.5,7353 1198,7353 1259,7292 1259,4172 1214,4127 1214,2732 1359,2587 v1(1359,2532)
VCC29: C2_UUT29.1 C3_CTL29.1 P1_UUT29.1 R4_CTL29.1 S1_CTL29.1 U1_CTL29.5 U2_CTL29.5 U3_UUT29.5 | length 6600.3
  Top Layer w20: U2_CTL29.5@1779,2357 1801.5,2357 1851.5,2407 1931.5,2407 1944,2394.5 ; U3_UUT29.5@1903.5,7121.5 1968,7121.5 1998.5,7152 1998.5,7353 P1_UUT29.1@2152,7353 ; R4_CTL29.1@1936.5,2547 1966.5,2577 2056.5,2577 2136.5,2497 S1_CTL29.1@2136.5,2442 ; U1_CTL29.5@1944,2357 1944,2394.5 ; v1(2436.5,2532) 2326.5,2532 2236.5,2442 S1_CTL29.1@2136.5,2442 ; 1944,2394.5 1991.5,2442 C3_CTL29.1@2031.5,2442 S1_CTL29.1@2136.5,2442
  Bottom Layer w20: P1_UUT29.1@2152,7353 2275.5,7353 2327.75,7300.75 ; 2336.5,7292 2327.75,7300.75 ; v1(2436.5,2532) 2436.5,2587 2284,2739.5 2284,4112 2327.75,4155.75 2327.75,7300.75
VCC30: C2_UUT30.1 C3_CTL30.1 P1_UUT30.1 R4_CTL30.1 S1_CTL30.1 U1_CTL30.5 U2_CTL30.5 U3_UUT30.5 | length 6589
  Top Layer w20: U2_CTL30.5@2856.5,2357 2879,2357 2929,2407 3009,2407 3021.5,2394.5 ; U3_UUT30.5@2981,7121.5 3045.5,7121.5 3076,7152 3076,7353 P1_UUT30.1@3229.5,7353 ; R4_CTL30.1@3014,2547 3044,2577 3134,2577 3214,2497 S1_CTL30.1@3214,2442 ; U1_CTL30.5@3021.5,2357 3021.5,2394.5 ; v1(3514,2532) 3404,2532 3314,2442 S1_CTL30.1@3214,2442 ; 3021.5,2394.5 3069,2442 C3_CTL30.1@3109,2442 S1_CTL30.1@3214,2442
  Bottom Layer w20: P1_UUT30.1@3229.5,7353 3353,7353 3414,7292 3414,4172 3369,4127 3369,2732 3514,2587 v1(3514,2532)
VCC31: C2_UUT31.1 C3_CTL31.1 P1_UUT31.1 R4_CTL31.1 S1_CTL31.1 U1_CTL31.5 U2_CTL31.5 U3_UUT31.5 | length 6578.7
  Top Layer w20: U2_CTL31.5@3934,2357 3956.5,2357 4006.5,2407 4086.5,2407 4099,2394.5 ; U3_UUT31.5@4058.5,7121.5 4123,7121.5 4153.5,7152 4153.5,7353 P1_UUT31.1@4307,7353 ; R4_CTL31.1@4091.5,2547 4121.5,2577 4211.5,2577 4291.5,2497 S1_CTL31.1@4291.5,2442 ; U1_CTL31.5@4099,2357 4099,2394.5 ; v1(4591.5,2532) 4481.5,2532 4391.5,2442 S1_CTL31.1@4291.5,2442 ; 4099,2394.5 4146.5,2442 C3_CTL31.1@4186.5,2442 S1_CTL31.1@4291.5,2442
  Bottom Layer w20: P1_UUT31.1@4307,7353 4430.5,7353 4491.5,7292 4491.5,4154.5 4459,4122 4459,2719.5 4591.5,2587 v1(4591.5,2532)
VCC32: C2_UUT32.1 C3_CTL32.1 P1_UUT32.1 R4_CTL32.1 S1_CTL32.1 U1_CTL32.5 U2_CTL32.5 U3_UUT32.5 | length 6589
  Top Layer w20: U2_CTL32.5@5011.5,2357 5034,2357 5084,2407 5164,2407 5176.5,2394.5 ; U3_UUT32.5@5136,7121.5 5200.5,7121.5 5231,7152 5231,7353 P1_UUT32.1@5384.5,7353 ; R4_CTL32.1@5169,2547 5199,2577 5289,2577 5369,2497 S1_CTL32.1@5369,2442 ; U1_CTL32.5@5176.5,2357 5176.5,2394.5 ; v1(5669,2532) 5559,2532 5469,2442 S1_CTL32.1@5369,2442 ; 5176.5,2394.5 5224,2442 C3_CTL32.1@5264,2442 S1_CTL32.1@5369,2442
  Bottom Layer w20: P1_UUT32.1@5384.5,7353 5508,7353 5569,7292 5569,4167 5524,4122 5524,2732 5669,2587 v1(5669,2532)
VCC33: C2_UUT33.1 C3_CTL33.1 P1_UUT33.1 R4_CTL33.1 S1_CTL33.1 U1_CTL33.5 U2_CTL33.5 U3_UUT33.5 | length 6578.7
  Top Layer w20: U2_CTL33.5@6089,2357 6111.5,2357 6161.5,2407 6241.5,2407 6254,2394.5 ; U3_UUT33.5@6213.5,7121.5 6278,7121.5 6308.5,7152 6308.5,7353 P1_UUT33.1@6462,7353 ; R4_CTL33.1@6246.5,2547 6276.5,2577 6366.5,2577 6446.5,2497 S1_CTL33.1@6446.5,2442 ; U1_CTL33.5@6254,2357 6254,2394.5 ; v1(6746.5,2532) 6636.5,2532 6546.5,2442 S1_CTL33.1@6446.5,2442 ; 6254,2394.5 6301.5,2442 C3_CTL33.1@6341.5,2442 S1_CTL33.1@6446.5,2442
  Bottom Layer w20: P1_UUT33.1@6462,7353 6585.5,7353 6646.5,7292 6646.5,4154.5 6614,4122 6614,2719.5 6746.5,2587 v1(6746.5,2532)
VCC34: C2_UUT34.1 C3_CTL34.1 P1_UUT34.1 R4_CTL34.1 S1_CTL34.1 U1_CTL34.5 U2_CTL34.5 U3_UUT34.5 | length 6580.7
  Top Layer w20: U2_CTL34.5@7166.5,2357 7189,2357 7239,2407 7319,2407 7331.5,2394.5 ; U3_UUT34.5@7291,7121.5 7355.5,7121.5 7386,7152 7386,7353 P1_UUT34.1@7539.5,7353 ; R4_CTL34.1@7324,2547 7354,2577 7444,2577 7524,2497 S1_CTL34.1@7524,2442 ; U1_CTL34.5@7331.5,2357 7331.5,2394.5 ; v1(7824,2532) 7714,2532 7624,2442 S1_CTL34.1@7524,2442 ; 7331.5,2394.5 7379,2442 C3_CTL34.1@7419,2442 S1_CTL34.1@7524,2442
  Bottom Layer w20: P1_UUT34.1@7539.5,7353 7663,7353 7724,7292 7724,4152 7689,4117 7689,2722 7824,2587 v1(7824,2532)
VCC35: C2_UUT35.1 C3_CTL35.1 P1_UUT35.1 R4_CTL35.1 S1_CTL35.1 U1_CTL35.5 U2_CTL35.5 U3_UUT35.5 | length 6578.7
  Top Layer w20: U2_CTL35.5@8244,2357 8266.5,2357 8316.5,2407 8396.5,2407 8409,2394.5 ; U3_UUT35.5@8368.5,7121.5 8433,7121.5 8463.5,7152 8463.5,7353 P1_UUT35.1@8617,7353 ; R4_CTL35.1@8401.5,2547 8431.5,2577 8521.5,2577 8601.5,2497 S1_CTL35.1@8601.5,2442 ; U1_CTL35.5@8409,2357 8409,2394.5 ; v1(8901.5,2532) 8791.5,2532 8701.5,2442 S1_CTL35.1@8601.5,2442 ; 8409,2394.5 8456.5,2442 C3_CTL35.1@8496.5,2442 S1_CTL35.1@8601.5,2442
  Bottom Layer w20: P1_UUT35.1@8617,7353 8740.5,7353 8801.5,7292 8801.5,4149.5 8769,4117 8769,2719.5 8901.5,2587 v1(8901.5,2532)
VCC36: C2_UUT36.1 C3_CTL36.1 P1_UUT36.1 R4_CTL36.1 S1_CTL36.1 U1_CTL36.5 U2_CTL36.5 U3_UUT36.5 | length 6580.7
  Top Layer w20: U2_CTL36.5@9321.5,2357 9344,2357 9394,2407 9474,2407 9486.5,2394.5 ; U3_UUT36.5@9446,7121.5 9510.5,7121.5 9541,7152 9541,7353 P1_UUT36.1@9694.5,7353 ; R4_CTL36.1@9479,2547 9509,2577 9599,2577 9679,2497 S1_CTL36.1@9679,2442 ; U1_CTL36.5@9486.5,2357 9486.5,2394.5 ; v1(9979,2532) 9869,2532 9779,2442 S1_CTL36.1@9679,2442 ; 9486.5,2394.5 9534,2442 C3_CTL36.1@9574,2442 S1_CTL36.1@9679,2442
  Bottom Layer w20: P1_UUT36.1@9694.5,7353 9818,7353 9879,7292 9879,4690 9844,4655 9844,2722 9979,2587 v1(9979,2532)